# Altium PCB NG2093.PcbDoc (part 6 of 8) (continued)
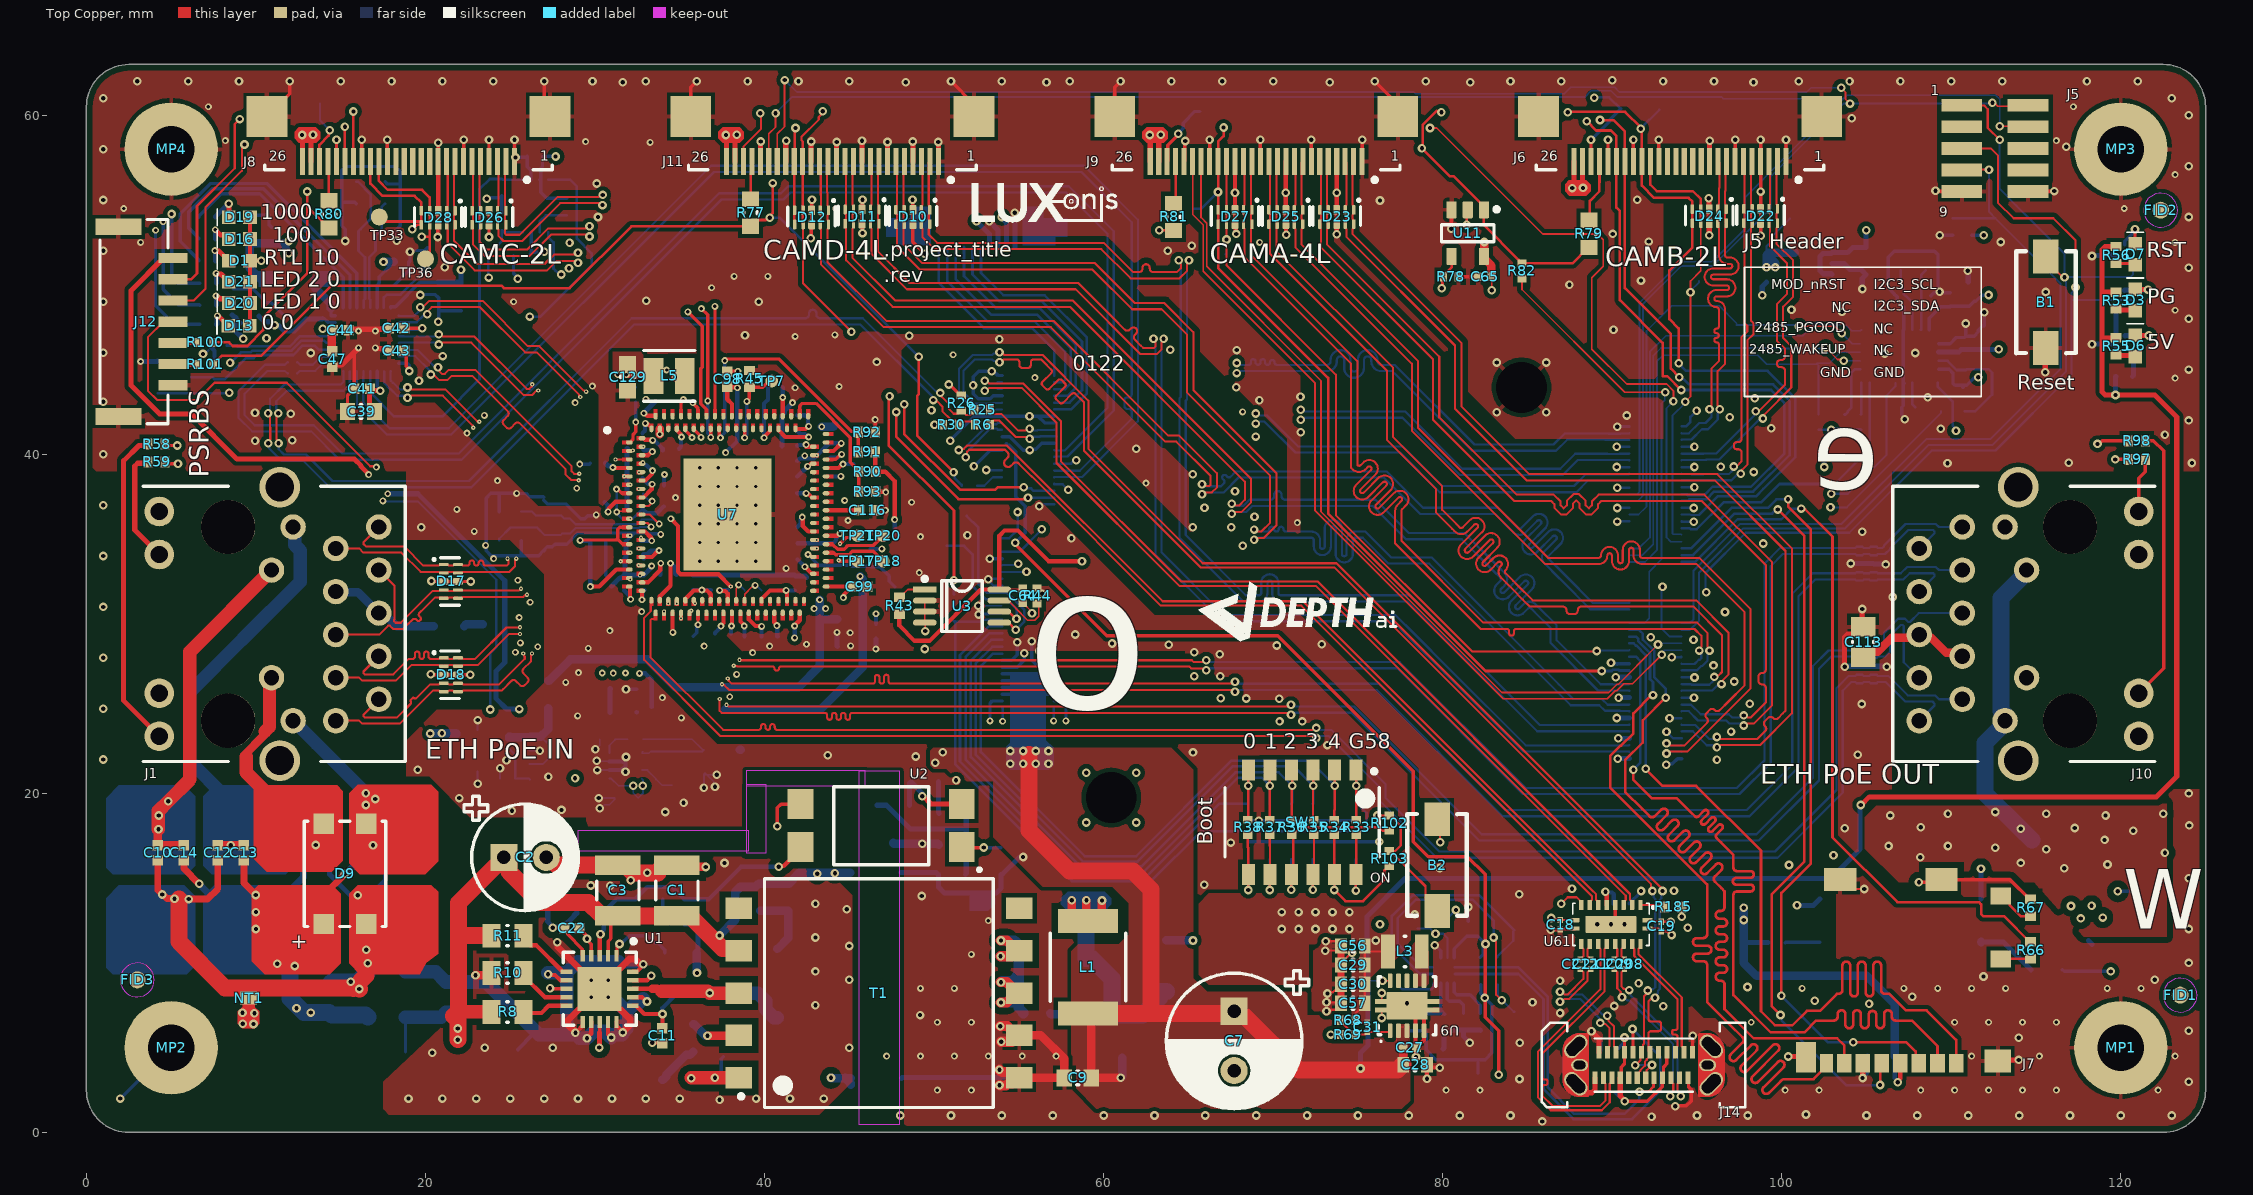
[diagram p0: Top Copper view]
## Nets (pads, with @x,y where several pads share a name; then routed paths per layer and width w, separated by ;. In a path a pad name is that pad's centre, name@x,y a point inside that pad or via, vN(x,y) a via of type N, cw(c..) or ccw(c..) an arc to the next point about the centre after c; other vN are vias at no path point) (continued)
  Bottom Copper w0.127: TP42.1@77.525,8.525 77.6,8.45 79.364,8.45 79.438,8.524 79.438,8.764 U62.6@79.474,8.8
nRST_LED: D7.2 R56.1 | length 1.2
  Top Copper w0.2: R56.1@119.725,51.256 120.775,51.256 D7.2@120.85,51.181
PCIE_1V0: C36.2 C37.2 C42.2 C43.2 C44.2 C45.2 C46.2 C47.2 L2.2 U4.3 U4.8 U4.22 U4.30 | length 15.8
  Top Copper w0.203: v1(13.932,47.407) 14.438,47.407 C44.2@14.538,47.306 ; C43.2@18.655,46.121 18.863,45.913 18.863,45.184 19.048,45 v1(19.048,44.917) v1@18.989,44.976 ; C42.2@18.739,47.448 18.757,47.43 v1(19.804,47.43)
  Top Copper w0.5: C47.2@14.478,46.193 14.478,47.246 C44.2@14.538,47.306
  Bottom Copper w0.203: v1(13.932,47.407) 13.962,47.377 14.673,47.377 U4.22@14.675,47.375 ; U4.30@17.15,48.65 17.15,49.975 17.28,50.105 17.28,50.471 17.916,51.107 17.916,51.109 17.927,51.119 C46.2@17.929,51.119 ; U4.8@18.425,45.375 18.427,45.373 18.91,45.373 19.035,45.248 19.035,44.93 v1(19.048,44.917) ; U4.3@18.425,47.375 18.427,47.377 19.75,47.377 v1(19.804,47.43)
  Bottom Copper w0.5: C36.2@9.615,52.509 9.63,52.509 9.63,50.987 10.267,50.35 ; C36.2@9.83,52.438 10.897,52.438 10.921,52.461 11.307,52.461 11.33,52.438 v1@11.806,52.438 ; 11.603,52.235 v1@11.933,51.905 ; v1(17.525,51.35) C46.2@18.125,51.35
  other v1: 11.944,51.861 11.944,52.582
PCIe_CLKREQ_N_1V8: J3.65 U6.4 | length 48.1
  Top Copper w0.152: v1(48.239,42.95) 48.239,41.211 51.55,37.9 53.603,37.9 53.764,38.061 v1(55.288,38.061)
  Signal Layer 2 w0.152: v1(26.15,48.125) 34.509,48.125 36.434,46.2 40.7,46.2 43.9,43 48.189,43 v1(48.239,42.95)
  Bottom Copper w0.152: v1(26.15,48.125) 26.775,48.125 29.8,51.15 29.8,51.849 28.925,52.724 28.925,55.8 28.525,56.2 U6.4@27.25,56.2 ; v1(55.288,38.061) 55.356,37.993 55.717,37.993 55.846,37.864 57.076,37.864 J3.65@57.09,37.85
PCIe_CLKREQ_N_3V3: R46.2 U4.12 U6.1 | length 23.2
  Bottom Copper w0.152: U4.12@16.75,44.9 16.75,43.637 18.143,42.244 20.994,42.244 23.188,44.438 23.188,55.637 23.793,56.242 R46.2@24.51,56.242 24.552,56.2 U6.1@25.75,56.2
PCIe_ISOLATE_N_1V8: R27.2 U6.5 | length 38.5
  Top Copper w0.152: v1(47.375,43.432) 47.325,43.382 47.325,40.525 51.175,36.675 51.175,32.578 v1(51.171,32.575)
  Signal Layer 2 w0.152: v1(28,50.609) 28.064,50.545 36.977,50.545 44.121,43.4 47.343,43.4 v1(47.375,43.432)
  Bottom Copper w0.152: U6.5@27.25,53.1 27.25,52.8 27.55,52.5 27.55,50.949 27.658,50.841 27.671,50.841 27.904,50.609 v1(28,50.609) ; v1(51.171,32.575) 51.171,31.754 R27.2@51.175,31.75
PCIe_ISOLATE_N_3V3: R49.2 U4.20 U6.8 | length 35.8
  Signal Layer 2 w0.152: v1(8.475,45.393) 8.475,44.229 9.29,43.414 14.436,43.414 16.018,41.832 20.173,41.832 24.521,46.181 24.521,49.429 23.992,49.958 23.992,50.069 23.725,50.336 v1(23.725,50.425)
  Bottom Copper w0.152: v1(8.475,45.393) 8.493,45.393 9.116,46.016 9.689,46.016 9.787,46.114 9.943,46.114 12.103,46.114 12.695,46.706 14.017,46.706 14.149,46.575 U4.20@14.675,46.575 ; v1(23.725,50.425) 23.7,50.45 23.7,51.775 24.5,52.575 R49.2@24.5,53.225 24.625,53.1 U6.8@25.75,53.1
PCIe_PERST_1V8: J3.63 Q1.1 | length 61.1
  Top Copper w0.152: v1(47.775,42.5) 47.775,41.025 51.44,37.36 55.272,37.36 55.277,37.365 55.471,37.365 v1(55.539,37.433)
  Signal Layer 2 w0.152: v1(8.425,43.625) 8.925,43.125 14.1,43.125 15.8,41.425 20.125,41.425 25.825,47.125 35.15,47.125 36.35,45.925 40.375,45.925 43.671,42.629 47.549,42.629 47.679,42.5 v1(47.775,42.5)
  Bottom Copper w0.152: Q1.1@4.2,43.6 8.4,43.6 v1(8.425,43.625) ; v1(55.539,37.433) 55.548,37.441 57.081,37.441 J3.63@57.09,37.45
PCIe_PERST_N_3V3: Q1.3 R28.2 U4.19 | length 9.4
  Bottom Copper w0.152: Q1.3@6.2,44.55 7.425,44.55 R28.2@7.55,44.425 8.157,44.425 9.407,45.676 9.864,45.676 10.048,45.86 12.208,45.86 12.759,46.411 13.467,46.411 13.704,46.175 U4.19@14.675,46.175
PCIe_WAKE_N: R29.2 U4.21 | length 6.7
  Bottom Copper w0.152: R29.2@8.288,46.421 8.862,46.421 8.95,46.334 9.596,46.334 9.631,46.368 11.998,46.368 12.604,46.975 14.354,46.975 U4.21@14.675,46.975
PG_LED: D3.2 R53.1 | length 1.2
  Top Copper w0.3: R53.1@119.725,48.569 119.772,48.522 120.803,48.522 D3.2@120.85,48.475
RCL: R10.2 U1.9 | length 3.2
  Top Copper w0.254: R10.2@25.789,9.409 25.789,9.234 27.049,7.975 U1.9@28.323,7.975
RDET: R11.2 U1.6 | length 3.5
  Top Copper w0.254: R11.2@25.789,11.609 25.789,11.434 26.187,11.036 26.541,11.036 28.102,9.475 U1.6@28.323,9.475
REGOUT: L2.1 U4.24 | length 2.8
  Bottom Copper w0.2: 14.343,48.539 14.425,48.457 14.425,48.175 U4.24@14.675,48.175
  Bottom Copper w0.5: L2.1@13.462,50.341 13.462,49.841 14.406,48.896 14.406,48.602
RXB_N: J14.B10 U61.18 | length 8
  Top Copper w0.125: U61.18@91.175,11.125 91.175,10.95 91.297,10.827 91.297,10.41 93.847,7.86 93.847,7.1 93.847,6.17 cw(c93.722,6.17) 93.722,6.045 93.611,6.045 ccw(c93.611,5.976) 93.542,5.976 93.542,5.839 ccw(c93.611,5.839) 93.611,5.77 93.722,5.77 cw(c93.722,5.645) 93.847,5.645 93.847,5.583 93.847,5.078 93.725,4.955 J14.B10@93.725,4.73
RXB_P: J14.B11 U61.19 | length 7.6
  Top Copper w0.125: U61.19@91.675,11.125 91.675,10.95 91.552,10.827 91.552,10.516 94.102,7.966 94.102,5.078 94.225,4.955 J14.B11@94.225,4.73
RXC_N: J14.A10 U61.14 | length 16.9
  Top Copper w0.125: U61.14@89.175,11.125 89.175,10.95 89.297,10.827 89.297,8.444 85.617,4.764 85.617,2.068 86.373,1.312 89.39,1.312 89.852,1.775 89.852,2.873 89.975,2.995 J14.A10@89.975,3.22
RXC_P: J14.A11 U61.15 | length 16.4
  Top Copper w0.125: J14.A11@89.475,3.22 89.475,2.995 89.597,2.873 89.597,1.881 89.284,1.568 86.479,1.568 85.873,2.174 85.873,2.291 85.873,2.679 cw(c85.998,2.679) 85.998,2.804 86.082,2.804 ccw(c86.082,2.901) 86.179,2.901 86.179,3.031 ccw(c86.082,3.031) 86.082,3.129 85.998,3.129 cw(c85.998,3.254) 85.873,3.254 85.873,4.346 85.873,4.658 89.553,8.338 89.553,10.827 89.675,10.95 U61.15@89.675,11.125
sd_hst0_clk: J2.61 J7.5 | length 47.4
  Top Copper w0.152: v1(99.768,36.744) 101.339,35.173 101.339,15.989 99.4,14.05 99.4,7.457 v1(99.926,6.932) ; v1(105.8,2.8) 105.8,4 J7.5@105.887,4.088
  Bottom Copper w0.152: J2.61@94.09,34.05 94.776,34.05 97.223,36.497 99.426,36.497 99.672,36.744 v1(99.768,36.744) ; v1(99.926,6.932) 99.988,6.869 99.988,6.616 103.824,2.78 105.78,2.78 v1(105.8,2.8)
sd_hst0_cmd: J2.63 J7.3 | length 48.1
  Top Copper w0.152: v1(99.979,8.056) 99.979,14.13 101.713,15.864 101.713,35.568 100.372,36.91 v1(100.372,37.347) ; v1(104.219,5.321) 107.353,5.321 107.897,4.777 107.897,4.278 J7.3@108.088,4.088
  Bottom Copper w0.152: J2.63@94.09,34.45 94.65,34.45 97.039,36.839 99.181,36.839 99.689,37.347 v1(100.372,37.347) ; v1(99.979,8.056) 102.715,5.321 v1(104.219,5.321)
sd_hst0_dat_0: J2.40 J7.7 | length 51.8
  Top Copper w0.152: v1(93.15,25.65) 91.8,24.3 91.8,23 90.757,21.957 90.757,20.093 91.775,19.075 92.188,18.662 ccw(c92.35,18.823) 92.511,18.662 92.883,19.034 cw(c93.044,18.872) 93.206,19.034 cw(c93.044,18.872) 93.206,18.711 92.701,18.206 ccw(c92.862,18.045) 92.701,17.883 ccw(c92.862,18.045) 93.023,17.883 93.528,18.388 cw(c93.69,18.227) 93.851,18.388 cw(c93.69,18.227) 93.851,18.066 93.346,17.561 ccw(c93.508,17.399) 93.346,17.238 ccw(c93.508,17.399) 93.669,17.238 94.174,17.743 cw(c94.335,17.581) 94.496,17.743 cw(c94.335,17.581) 94.496,17.42 93.992,16.915 ccw(c94.153,16.754) 93.992,16.593 ccw(c94.153,16.754) 94.314,16.593 94.819,17.097 cw(c94.981,16.936) 95.142,17.097 cw(c94.981,16.936) 95.142,16.775 94.637,16.27 ccw(c94.798,16.108) 94.637,15.947 ccw(c94.798,16.108) 94.96,15.947 95.465,16.452 cw(c95.626,16.291) 95.787,16.452 cw(c95.626,16.291) 95.787,16.129 95.283,15.624 ccw(c95.444,15.463) 95.283,15.302 ccw(c95.444,15.463) 95.605,15.302 96.11,15.806 cw(c96.271,15.645) 96.433,15.806 cw(c96.271,15.645) 96.433,15.484 96.061,15.112 ccw(c96.222,14.95) 96.061,14.789 96.438,14.413 96.625,14.225 96.625,13.825 96.625,13.292 cw(c96.397,13.292) 96.397,13.064 96.331,13.064 ccw(c96.331,12.836) 96.103,12.836 ccw(c96.331,12.836) 96.331,12.608 96.543,12.608 cw(c96.543,12.38) 96.771,12.38 cw(c96.543,12.38) 96.543,12.151 96.331,12.151 ccw(c96.331,11.923) 96.103,11.923 ccw(c96.331,11.923) 96.331,11.695 96.543,11.695 cw(c96.543,11.467) 96.771,11.467 cw(c96.543,11.467) 96.543,11.239 96.331,11.239 ccw(c96.331,11.01) 96.103,11.01 ccw(c96.331,11.01) 96.331,10.782 96.543,10.782 cw(c96.543,10.554) 96.771,10.554 cw(c96.543,10.554) 96.543,10.326 96.331,10.326 ccw(c96.331,10.098) 96.103,10.098 ccw(c96.331,10.098) 96.331,9.869 96.543,9.869 cw(c96.543,9.641) 96.771,9.641 cw(c96.543,9.641) 96.543,9.413 96.331,9.413 ccw(c96.331,9.185) 96.103,9.185 ccw(c96.331,9.185) 96.331,8.957 96.397,8.957 cw(c96.397,8.728) 96.625,8.728 96.625,8.05 96.625,7.275 98.342,5.558 103.267,5.558 103.675,5.15 103.675,4.1 J7.7@103.688,4.088
  Bottom Copper w0.152: J2.40@91.01,29.65 91.575,29.65 91.65,29.575 91.8,29.425 91.8,29.069 92.483,28.387 92.483,26.842 93.15,26.175 v1(93.15,25.65)
sd_hst0_dat_1: J2.38 J7.8 | length 52.4
  Top Copper w0.152: v1(92.407,25.8) 92.325,25.8 91.25,24.725 91.25,23.539 90.529,22.818 90.483,22.818 89.893,22.229 89.893,20.332 95.6,14.625 95.6,12.4 95.6,11.695 cw(c95.372,11.695) 95.372,11.467 94.994,11.467 ccw(c94.994,11.238) 94.766,11.238 ccw(c94.994,11.238) 94.994,11.01 95.621,11.01 cw(c95.621,10.782) 95.849,10.782 cw(c95.621,10.782) 95.621,10.554 94.994,10.554 ccw(c94.994,10.326) 94.766,10.326 ccw(c94.994,10.326) 94.994,10.097 95.372,10.097 cw(c95.372,9.869) 95.6,9.869 95.6,9.793 95.6,7.7 96.925,6.375 97.683,5.617 cw(c97.521,5.456) 97.683,5.295 96.987,4.599 ccw(c97.148,4.438) 96.987,4.277 ccw(c97.148,4.438) 97.31,4.277 98.176,5.143 cw(c98.337,4.982) 98.499,5.143 cw(c98.337,4.982) 98.499,4.82 97.632,3.954 ccw(c97.794,3.792) 97.632,3.631 ccw(c97.794,3.792) 97.955,3.631 99.467,5.143 cw(c99.628,4.982) 99.79,5.143 cw(c99.628,4.982) 99.79,4.82 98.278,3.308 ccw(c98.439,3.147) 98.278,2.986 ccw(c98.439,3.147) 98.601,2.986 99.77,4.156 cw(c99.932,3.994) 100.093,4.156 cw(c99.932,3.994) 100.093,3.833 98.923,2.663 ccw(c99.085,2.502) 98.923,2.34 ccw(c99.085,2.502) 99.246,2.34 99.942,3.037 cw(c100.217,2.76) 100.217,3.15 100.325,3.15 101.876,3.15 102.194,3.467 102.194,3.469 102.638,3.912 J7.8@102.638,4.088
  Bottom Copper w0.152: J2.38@91.01,29.25 91.411,29.25 91.546,29.115 91.546,28.964 92.229,28.281 92.229,26.737 92.407,26.559 v1(92.407,25.8)
sd_hst0_dat_2: J2.36 J7.1 | length 52.2
  Top Copper w0.152: v1(91.975,21.45) 92.975,20.45 94.95,20.45 98.775,16.625 98.775,7.15 99.6,6.325 100.625,6.325 101.475,7.175 102.25,7.175 103.25,8.175 103.275,8.175 103.351,8.175 ccw(c103.351,8.403) 103.579,8.403 103.579,9.849 cw(c103.807,9.849) 104.035,9.849 104.035,8.255 ccw(c104.263,8.255) 104.491,8.255 104.491,9.849 cw(c104.719,9.849) 104.947,9.849 104.947,8.26 ccw(c105.175,8.26) 105.403,8.26 105.403,9.849 cw(c105.631,9.849) 105.859,9.849 105.859,8.403 ccw(c106.087,8.403) 106.087,8.175 106.35,8.175 106.544,7.981 107.325,7.2 108.55,7.2 110.288,5.462 J7.1@110.288,4.088
  Bottom Copper w0.152: J2.36@91.01,28.85 91.27,28.85 91.402,28.718 91.434,28.718 91.975,28.176 v1(91.975,21.45)
sd_hst0_dat_3: J2.32 J7.2 | length 52.8
  Top Copper w0.152: v1(91.25,21.4) 91.25,20.8 92.325,19.725 93.8,19.725 94.673,18.852 94.872,18.653 ccw(c94.979,18.761) 95.087,18.653 95.412,18.978 cw(c95.519,18.872) 95.625,18.978 cw(c95.519,18.872) 95.625,18.765 95.277,18.416 ccw(c95.384,18.309) 95.277,18.203 ccw(c95.384,18.309) 95.49,18.203 95.839,18.551 cw(c95.946,18.444) 96.052,18.551 cw(c95.946,18.444) 96.052,18.338 95.704,17.989 ccw(c95.811,17.882) 95.704,17.776 ccw(c95.811,17.882) 95.917,17.776 96.266,18.124 cw(c96.373,18.017) 96.48,18.124 cw(c96.373,18.017) 96.48,17.911 96.154,17.586 ccw(c96.262,17.478) 96.154,17.371 96.422,17.103 97.104,16.421 97.15,16.375 97.15,15.621 ccw(c97.351,15.621) 97.351,15.42 98.151,15.42 cw(c98.151,15.219) 98.151,15.018 97.319,15.018 ccw(c97.319,14.817) 97.319,14.616 98.151,14.616 cw(c98.151,14.415) 98.151,14.214 97.351,14.214 ccw(c97.351,14.013) 97.15,14.013 97.15,13.535 97.15,8.108 99.35,5.908 101.333,5.908 102.025,6.6 102.125,6.6 103.07,6.6 ccw(c103.07,6.828) 103.298,6.828 103.298,6.978 cw(c103.526,6.978) 103.754,6.978 103.754,6.374 ccw(c103.982,6.374) 104.21,6.374 104.21,6.978 cw(c104.438,6.978) 104.666,6.978 104.666,6.374 ccw(c104.894,6.374) 105.122,6.374 105.122,6.94 cw(c105.35,6.94) 105.578,6.94 105.578,6.374 ccw(c105.806,6.374) 106.034,6.374 106.034,6.978 cw(c106.262,6.978) 106.49,6.978 106.49,6.828 ccw(c106.718,6.828) 106.718,6.6 107.25,6.6 107.688,6.6 109.188,5.1 J7.2@109.188,4.088
  Bottom Copper w0.152: J2.32@91.01,28.05 91.425,28.05 91.65,27.825 91.65,21.8 v1(91.25,21.4)
SDS_IO_CLKI_N: J3.81 R6.2 | length 4.6
  Top Copper w0.12: R6.2@53.3,41.75 53.3,41.8 53.503,42.003 53.831,42.003 54.802,41.031 55.415,41.031 55.528,40.918 v1(55.633,40.918)
  Bottom Copper w0.13: v1(55.633,40.918) 55.736,40.918 55.851,41.033 56.234,41.033 56.268,41.067 57.227,41.067 J3.81@57.24,41.054
SDS_IO_CLKI_P: J3.83 R25.2 | length 4.4
  Top Copper w0.12: R25.2@53.3,42.625 53.3,42.575 53.503,42.373 53.984,42.373 54.955,41.401 55.415,41.401 55.528,41.514 v1(55.633,41.514)
  Bottom Copper w0.13: v1(55.633,41.514) 55.736,41.514 55.851,41.399 56.082,41.399 56.116,41.433 57.073,41.433 J3.83@57.09,41.45
SDS_REF_CLK_N: R6.1 R30.1 U4.16 | length 57.9
  Top Copper w0.12: v1(10.715,42.425) 10.715,42.32 10.835,42.2 10.835,41.578 10.845,41.568 10.845,40.882 10.725,40.762 v1(10.725,40.657) ; v1(49.949,43.199) 50.023,43.125 50.184,43.125 50.486,42.823 50.486,42.543 51.006,42.023 51.227,42.023 51.45,41.8 R30.1@51.45,41.781 ; R30.1@51.45,41.75 R30.1@51.45,41.781 ; R6.1@52.4,41.75 52.4,41.781 52.235,41.946 51.615,41.946 R30.1@51.45,41.781
  Bottom Copper w0.13: v1(10.715,42.425) 10.715,42.527 10.837,42.649 10.837,43.277 11.681,44.121 14.998,44.121 15.167,44.289 15.167,44.583 15.163,44.587 15.163,44.887 U4.16@15.15,44.9 ; v1(10.725,40.657) 10.786,40.597 10.786,40.343 11.503,39.625 12.799,39.625 14.36,38.064 22.718,38.064 32.318,47.664 45.648,47.664 49.877,43.435 49.877,43.271 v1(49.949,43.199)
SDS_REF_CLK_P: R25.1 R26.2 U4.15 | length 57.9
  Top Copper w0.12: v1(11.325,42.425) 11.325,42.32 11.205,42.2 11.205,41.731 11.215,41.721 11.215,40.882 11.335,40.762 v1(11.335,40.657) ; v1(50.371,43.621) 50.445,43.547 50.445,43.387 50.856,42.976 50.856,42.696 51.159,42.393 51.315,42.393 51.331,42.41 51.435,42.41 R26.2@51.6,42.575 51.65,42.575 51.815,42.41 51.815,42.387 51.885,42.316 52.141,42.316 52.4,42.575 R25.1@52.4,42.625
  Bottom Copper w0.13: v1(11.325,42.425) 11.325,42.527 11.203,42.649 11.203,43.126 11.832,43.755 15.15,43.755 15.533,44.138 15.533,44.583 15.537,44.587 15.537,44.887 U4.15@15.55,44.9 ; v1(11.335,40.657) 11.349,40.643 11.349,40.297 11.655,39.991 12.95,39.991 14.511,38.43 22.566,38.43 32.166,48.03 41.777,48.03 42.408,48.03 ccw(c42.408,48.247) 42.625,48.247 42.625,48.312 cw(c42.842,48.312) 43.059,48.312 43.059,48.247 ccw(c43.276,48.247) 43.276,48.03 43.775,48.03 45.799,48.03 50.136,43.694 50.299,43.694 v1(50.371,43.621)
SDS_RXD1_N: C51.2 U4.18 | length 2.5
  Bottom Copper w0.13: C51.2@12.436,45.435 12.456,45.435 12.602,45.289 13.352,45.289 13.821,45.758 14.358,45.758 14.362,45.762 14.662,45.762 U4.18@14.675,45.775
SDS_RXD1_P: C35.2 U4.17 | length 2.5
  Bottom Copper w0.13: C35.2@12.434,44.777 12.454,44.777 12.6,44.923 13.503,44.923 13.972,45.392 14.358,45.392 14.362,45.388 14.662,45.388 U4.17@14.675,45.375
SDS_RXD_N: C51.1 J3.77 | length 79.5
  Bottom Copper w0.13: C51.1@11.876,45.435 11.856,45.435 11.71,45.289 10.535,45.289 8.967,43.722 8.967,42.162 9.775,41.355 13.263,41.355 14.933,39.685 22.122,39.685 37.467,55.03 41.118,55.03 41.534,55.446 57.794,55.446 60.23,53.01 60.23,42.739 57.724,40.233 57.107,40.233 J3.77@57.09,40.25
SDS_RXD_P: C35.1 J3.75 | length 79.5
  Bottom Copper w0.13: C35.1@11.874,44.777 11.854,44.777 11.708,44.923 10.687,44.923 9.333,43.57 9.333,42.313 9.926,41.721 13.415,41.721 15.085,40.051 21.97,40.051 37.315,55.396 40.966,55.396 41.383,55.812 57.946,55.812 60.596,53.161 60.596,42.588 57.876,39.867 57.107,39.867 J3.75@57.09,39.85
SDS_TXD_N: J3.71 U4.14 | length 74
  Bottom Copper w0.13: U4.14@15.95,44.9 15.963,44.887 15.963,44.587 15.967,44.583 15.967,42.921 17.721,41.167 21.526,41.167 37.013,56.654 58.692,56.654 61.655,53.691 61.655,44.566 61.655,43.529 cw(c61.485,43.529) 61.485,43.359 61.395,43.359 ccw(c61.395,43.189) 61.225,43.189 61.225,42.849 ccw(c61.395,42.849) 61.395,42.679 61.485,42.679 cw(c61.485,42.509) 61.655,42.509 61.655,42.444 61.655,42.095 58.593,39.033 57.107,39.033 J3.71@57.09,39.05
SDS_TXD_P: J3.69 U4.13 | length 74.1
  Bottom Copper w0.13: U4.13@16.35,44.9 16.337,44.887 16.337,44.587 16.333,44.583 16.333,43.072 17.872,41.533 21.374,41.533 36.861,57.02 58.843,57.02 62.021,53.843 62.021,41.943 58.744,38.667 57.107,38.667 J3.69@57.09,38.65
SP1: C15.1 C16.1 D9.2 J1.13 | length 13.8
  Top Copper w0.5: 9.325,22.25 9.325,22.268 10.463,23.406 10.463,23.585 10.527,23.648
  Top Copper w0.762: 10.527,23.648 10.804,23.926 J1.13@10.804,26.71
  Top Copper w0.8: 9.418,22.157 9.418,21.24 11.406,19.253 13.331,19.253 13.8,18.784 13.8,18.4 D9.2@14,18.2
  Bottom Copper w0.3: C15.1@12.81,16.951 C16.1@14.35,16.951
  Bottom Copper w0.762: J1.13@10.804,26.71 J1.13@10.919,26.825
  other v1: 13.534,16.958
SP2: C17.1 C54.1 D9.3 J1.14 | length 11.1
  Bottom Copper w0.3: v1(16.487,19.314) 16.11,18.937 C54.1@16.11,16.963 C17.1@17.65,16.963
  Bottom Copper w0.762: J1.14@12.212,24.285 13.576,22.921 13.576,22.924 v1(16.487,20.013) 16.837,19.663 v1(16.487,19.314)
  other v1: 16.905,16.944 17.037,19.673
STROBE1: J6.24 J12.2 TP23.1 | length 98.2
  Top Copper w0.152: J12.2@5.1,50.325 6.175,50.325 6.525,50.675 6.525,54.65 8.75,56.875 8.75,59.475 v1(9.05,59.775)
  Top Copper w0.2: J6.24@88.75,57.275 v1(88.75,58.55)
  Signal Layer 2 w0.152: v1(9.05,59.775) 10.79,61.515 48.153,61.515 48.268,61.4 88.525,61.4 88.885,61.04 v1(88.931,61.04)
  Bottom Copper w0.152: v1(88.931,61.04) 88.947,61.056 89.819,61.056 90.475,60.4 TP23.1@90.475,60.375
  Bottom Copper w0.2: v1(88.75,58.55) 89.825,59.625 89.825,59.7 TP23.1@90.5,60.375
STROBE2: J8.24 TP24.1 | length 3.9
  Top Copper w0.152: J8.24@13.75,57.275 13.738,57.287 13.738,58.247 14.293,58.802 14.293,59.056 v1(14.354,59.118)
  Bottom Copper w0.13: TP24.1@13.775,60.675 13.775,59.697 v1(14.354,59.118)
STROBE3: J9.24 TP31.1 | length 3.9
  Top Copper w0.2: J9.24@63.75,57.275 63.777,57.302 63.777,58.222 64.396,58.84 v1(64.396,58.918)
  Bottom Copper w0.2: v1(64.396,58.918) 64.396,58.923 64.701,59.228 64.701,59.539 65.387,60.225 TP31.1@65.675,60.225
STROBE4: J11.24 TP4.1 | length 3.3
  Top Copper w0.127: J11.24@38.75,57.275 38.75,58.15 39.8,59.2 39.8,60.075 v1(39.75,60.125)
SWO: D4.2 T1.3 U1.18 | length 10.9
  Top Copper w0.25: U1.18@32.223,8.475 33.301,8.475 33.347,8.429
  Top Copper w0.5: 33.39,8.473 33.672,8.473
  Top Copper w0.8: 33.934,8.341 36.659,8.341 v1(36.775,8.225) T1.3@38.473,8.225
  Bottom Copper w0.8: v1(36.775,8.225) 39.602,8.225 40.071,7.756 40.071,7.257 40.56,6.768 D4.2@40.75,6.768
SYS_RST: J3.89 J4.6 | length 15
  Bottom Copper w0.152: J4.6@52.767,52.231 52.767,50.702 54.084,49.384 56.523,49.384 59.016,46.89 59.016,43.599 58.068,42.65 J3.89@57.09,42.65
TCK: J3.97 J4.2 | length 13.1
  Bottom Copper w0.15: J4.2@50.766,52.231 50.766,50.223 53.14,47.85 55.929,47.85 57.738,46.041 57.738,44.406 57.582,44.25 J3.97@57.09,44.25
TDI: J3.95 J4.3 | length 13.6
  Bottom Copper w0.152: J4.3@51.267,52.231 51.267,50.348 53.39,48.225 56.094,48.225 58.071,46.248 58.071,44.197 57.724,43.85 J3.95@57.09,43.85
TDO: J3.91 J4.5 | length 14.5
  Bottom Copper w0.152: J4.5@52.267,52.231 52.267,50.608 53.837,49.038 56.337,49.038 58.725,46.65 58.725,43.781 57.994,43.05 J3.91@57.09,43.05
TMS: J3.99 J4.1 | length 12.1
  Bottom Copper w0.152: J4.1@50.267,52.231 50.267,50.125 52.941,47.45 55.769,47.45 57.09,46.129 J3.99@57.09,44.65
TRST: J3.93 J4.4 | length 14
  Bottom Copper w0.152: J4.4@51.767,52.231 51.767,50.508 53.65,48.625 56.207,48.625 58.346,46.486 58.346,43.921 57.875,43.45 J3.93@57.09,43.45
TXB1_N: C209.2 U61.16 | length 1
  Top Copper w0.125: C209.2@90.125,10.205 90.125,10.225 90.222,10.322 90.224,10.322 90.297,10.396 90.297,10.827 90.175,10.95 U61.16@90.175,11.125
TXB1_P: C208.2 U61.17 | length 1
  Top Copper w0.125: U61.17@90.675,11.125 90.675,10.95 90.552,10.827 90.552,10.396 90.626,10.322 90.628,10.322 90.725,10.225 C208.2@90.725,10.205
TXB_N: C209.1 J14.A3 | length 10.4
  Top Copper w0.125: C209.1@90.125,9.645 90.125,9.625 90.222,9.528 90.224,9.528 90.297,9.454 90.297,8.5 90.505,8.293 90.505,8.051 v1(90.578,7.978) ; v1(93.415,2.141) 93.415,2.227 93.597,2.409 93.597,2.873 93.475,2.995 J14.A3@93.475,3.22
  Bottom Copper w0.13: v1(90.578,7.978) 90.68,7.978 90.879,7.779 91.015,7.779 93.592,5.202 93.592,2.407 93.415,2.23 v1(93.415,2.141)
TXB_P: C208.1 J14.A2 | length 10.4
  Top Copper w0.125: C208.1@90.725,9.645 90.725,9.625 90.628,9.528 90.626,9.528 90.552,9.454 90.552,8.606 90.692,8.466 90.934,8.466 v1(91,8.4) ; J14.A2@93.975,3.22 93.975,2.995 93.852,2.873 93.852,2.409 94.034,2.228 v1(94.034,2.145)
  Bottom Copper w0.13: v1(91,8.4) 91.072,8.328 91.072,8.089 93.852,5.31 93.852,2.41 94.034,2.228 v1(94.034,2.145)
TXC1_N: C212.2 U61.12 | length 1
  Top Copper w0.125: C212.2@88.125,10.205 88.125,10.225 88.222,10.322 88.224,10.322 88.297,10.396 88.297,10.605 88.298,10.827 88.175,10.95 U61.12@88.175,11.125
TXC1_P: C211.2 U61.13 | length 1
  Top Copper w0.125: U61.13@88.675,11.125 88.675,10.95 88.553,10.827 88.553,10.499 88.553,10.396 88.626,10.322 88.628,10.322 88.725,10.225 C211.2@88.725,10.205
TXC_N: C212.1 J14.B3 | length 8.2
  Top Copper w0.125: v1(86.918,8.303) 87.022,8.303 87.193,8.133 87.36,8.133 88.297,9.07 88.297,9.454 88.224,9.528 88.222,9.528 88.125,9.625 C212.1@88.125,9.645 ; v1(89.715,6.885) 89.789,6.811 89.789,6.57 90.102,6.256 90.102,5.078 90.225,4.955 J14.B3@90.225,4.73
  Bottom Copper w0.13: v1(86.918,8.303) 87.015,8.303 87.183,8.135 88.227,8.135 89.409,6.953 89.647,6.953 v1(89.715,6.885)
TXC_P: C211.1 J14.B2 | length 8.2
  Top Copper w0.125: v1(86.918,7.707) 87.022,7.707 87.193,7.878 87.465,7.878 88.553,8.965 88.553,9.454 88.626,9.528 88.628,9.528 88.725,9.625 C211.1@88.725,9.645 ; v1(89.293,6.463) 89.366,6.389 89.608,6.389 89.847,6.15 89.847,5.078 89.725,4.955 J14.B2@89.725,4.73
  Bottom Copper w0.13: v1(86.918,7.707) 87.015,7.707 87.183,7.875 88.119,7.875 89.225,6.769 89.225,6.531 v1(89.293,6.463)
TXRX0A_N: U4.2 U7.A4 | length 18.7
  Top Copper w0.12: v1(20.113,48.262) 20.188,48.336 20.188,48.496 20.369,48.678 23.215,48.678 25.883,46.009 26.567,46.009 29.065,43.511 29.065,43.472 29.125,43.413 v4(29.125,43.376) ; U7.A4@32.025,40.2 32.037,40.213 32.213,40.213 v4(32.225,40.225)
  Signal Layer 2 w0.115: v4(29.125,43.376) 29.133,43.376 29.58,42.93 30.061,42.448 cw(c29.929,42.316) 30.061,42.184 ; 30.06,42.183 ccw(c30.192,42.051) 30.06,41.919 30.236,41.743 ccw(c30.368,41.875) 30.501,41.743 ; 30.501,41.744 cw(c30.633,41.611) 30.766,41.744 31.042,41.467 31.645,40.865 31.951,40.865 32.291,40.525 32.291,40.329 32.225,40.263 v4(32.225,40.225)
  Bottom Copper w0.13: U4.2@18.425,47.775 18.438,47.788 18.738,47.788 18.742,47.792 19.48,47.792 19.878,48.189 20.041,48.189 v1(20.113,48.262)
TXRX0A_P: U4.1 U7.B2 | length 18.6
  Top Copper w0.12: v1(19.691,48.684) 19.765,48.758 19.926,48.758 20.216,49.048 23.368,49.048 26.037,46.379 26.72,46.379 29.34,43.759 29.379,43.759 29.439,43.7 v4(29.475,43.7)
  Signal Layer 2 w0.115: v4(29.475,43.7) 29.475,43.692 31.837,41.33 32.144,41.33 32.756,40.717 32.756,40.581 32.85,40.488 v4(32.85,40.45)
  Bottom Copper w0.13: U4.1@18.425,48.175 18.438,48.162 18.738,48.162 18.742,48.158 19.329,48.158 19.619,48.448 19.619,48.611 v1(19.691,48.684)
TXRX0B_N: U4.5 U7.B4 | length 18.2
  Top Copper w0.12: v1(20.775,46.477) 20.88,46.477 20.993,46.59 22.708,46.59 25.809,43.489 26.285,43.489 26.536,43.74 26.634,43.74 v4(26.659,43.766)
  Signal Layer 2 w0.115: v4(26.659,43.766) 26.629,43.766 26.399,43.536 26.399,43.44 29.574,40.265 31.302,40.265 32.042,39.525 v4(32.825,39.525)
  Bottom Copper w0.13: U4.5@18.425,46.575 18.438,46.588 18.738,46.588 18.742,46.592 20.557,46.592 20.673,46.477 v1(20.775,46.477)
TXRX0B_P: U4.4 U7.A5 | length 18.3
  Top Copper w0.12: v1(20.775,47.073) 20.88,47.073 20.993,46.96 22.861,46.96 25.962,43.859 26.132,43.859 26.274,44.002 26.274,44.099 v4(26.3,44.125) ; v4(31.21,39.7) 31.806,39.7 U7.A5@32.025,39.7
  Signal Layer 2 w0.115: v4(26.3,44.125) 26.3,44.095 25.934,43.728 25.934,43.248 26.694,42.487 26.735,42.446 26.828,42.353 27.075,42.106 cw(c26.981,42.012) 27.075,41.919 27.074,41.917 ccw(c27.167,41.823) 27.074,41.73 ccw(c27.167,41.823) 27.261,41.73 27.263,41.731 cw(c27.356,41.638) 27.45,41.731 27.491,41.691 29.381,39.8 31.073,39.8 31.173,39.7 v4(31.21,39.7)
  Bottom Copper w0.13: U4.4@18.425,46.975 18.438,46.962 18.738,46.962 18.742,46.958 20.557,46.958 20.673,47.073 v1(20.775,47.073)
TXRX0C_N: U4.7 U7.A7 | length 18.1
  Top Copper w0.12: v1(20.319,44.709) 20.394,44.634 20.554,44.634 20.815,44.374 21.291,44.374 21.531,44.614 22.779,44.614 24.371,43.021 24.858,42.535 cw(c24.724,42.401) 24.858,42.268 24.608,42.019 ccw(c24.742,41.886) 24.608,41.753 24.786,41.575 ccw(c24.919,41.708) 25.052,41.575 25.302,41.824 cw(c25.435,41.691) 25.568,41.824 25.918,41.475 28.25,39.142 28.25,38.837 28.615,38.473 29.04,38.473 v4(29.047,38.465)
  Signal Layer 2 w0.115: v4(29.047,38.465) 29.908,38.465 29.948,38.425 31.275,38.425 31.541,38.691 31.716,38.691 v4(31.725,38.7)
  Bottom Copper w0.13: U4.7@18.425,45.775 18.438,45.788 18.738,45.788 18.742,45.792 19.399,45.792 20.247,44.944 20.247,44.781 v1(20.319,44.709)
TXRX0C_P: U4.6 U7.B5 | length 17.9
  Top Copper w0.12: v1(20.742,45.131) 20.816,45.056 20.816,44.896 20.968,44.744 21.138,44.744 21.378,44.984 22.932,44.984 28.62,39.295 28.62,38.99 28.768,38.843 29.068,38.843 v4(29.075,38.85)
  Signal Layer 2 w0.115: v4(29.075,38.85) 29.093,38.85 29.133,38.89 31.082,38.89 31.357,39.165 31.918,39.165 32.133,38.95 v4(32.6,38.95)
  Bottom Copper w0.13: U4.6@18.425,46.175 18.438,46.162 18.738,46.162 18.742,46.158 19.551,46.158 20.506,45.203 20.669,45.203 v1(20.742,45.131)
TXRX0D_N: U4.10 U7.B7 | length 19.1
  Top Copper w0.12: v1(18.94,43.346) 19.045,43.346 19.158,43.459 21.02,43.459 22.79,41.689 22.79,41.591 v4(22.816,41.566)
  Signal Layer 2 w0.115: v4(22.816,41.566) 22.846,41.566 27.268,37.144 31.723,37.144 32.459,37.881 32.468,37.881 32.537,37.95 v4(32.575,37.95)
  Bottom Copper w0.13: U4.10@17.55,44.9 17.563,44.887 17.563,44.587 17.567,44.583 17.567,44.203 17.911,43.859 17.942,43.859 18.339,43.461 18.722,43.461 18.838,43.346 v1(18.94,43.346)
TXRX0D_P: U4.9 U7.A8 | length 19.1
  Top Copper w0.12: v1(18.94,43.943) 19.045,43.943 19.158,43.829 21.173,43.829 23.052,41.951 23.149,41.951 v4(23.175,41.925)
  Signal Layer 2 w0.115: v4(23.175,41.925) 23.175,41.895 25.022,40.047 25.311,39.758 ccw(c25.443,39.89) 25.576,39.758 25.848,40.03 cw(c25.98,39.898) 26.112,40.03 26.288,39.854 cw(c26.156,39.722) 26.288,39.59 26.016,39.318 ccw(c26.148,39.186) 26.016,39.053 26.497,38.572 27.461,37.609 31.53,37.609 32.006,38.084 32.006,38.093 32.075,38.162 v4(32.075,38.2)
  Bottom Copper w0.13: U4.9@17.95,44.9 17.937,44.887 17.937,44.587 17.933,44.583 17.933,44.355 18.063,44.225 18.093,44.225 18.491,43.827 18.722,43.827 18.838,43.943 v1(18.94,43.943)